# Altium PCB EPS.PcbDoc (part 5 of 11)
Units mm, origin at the board's own origin, x right, y up, seen from the top; angles counter-clockwise.
Board outline 90.25 x 93.64 mm, 8 copper layers (Top Layer, PGND, Power, Control Signals 1, Control Signals 2, Signal 1, Signal 2, Bottom Layer), stack 1.637 mm thick; 941 components, 557 nets, 2694 pads, 869 vias.
Unrouted connection lines stored in the file: 2.
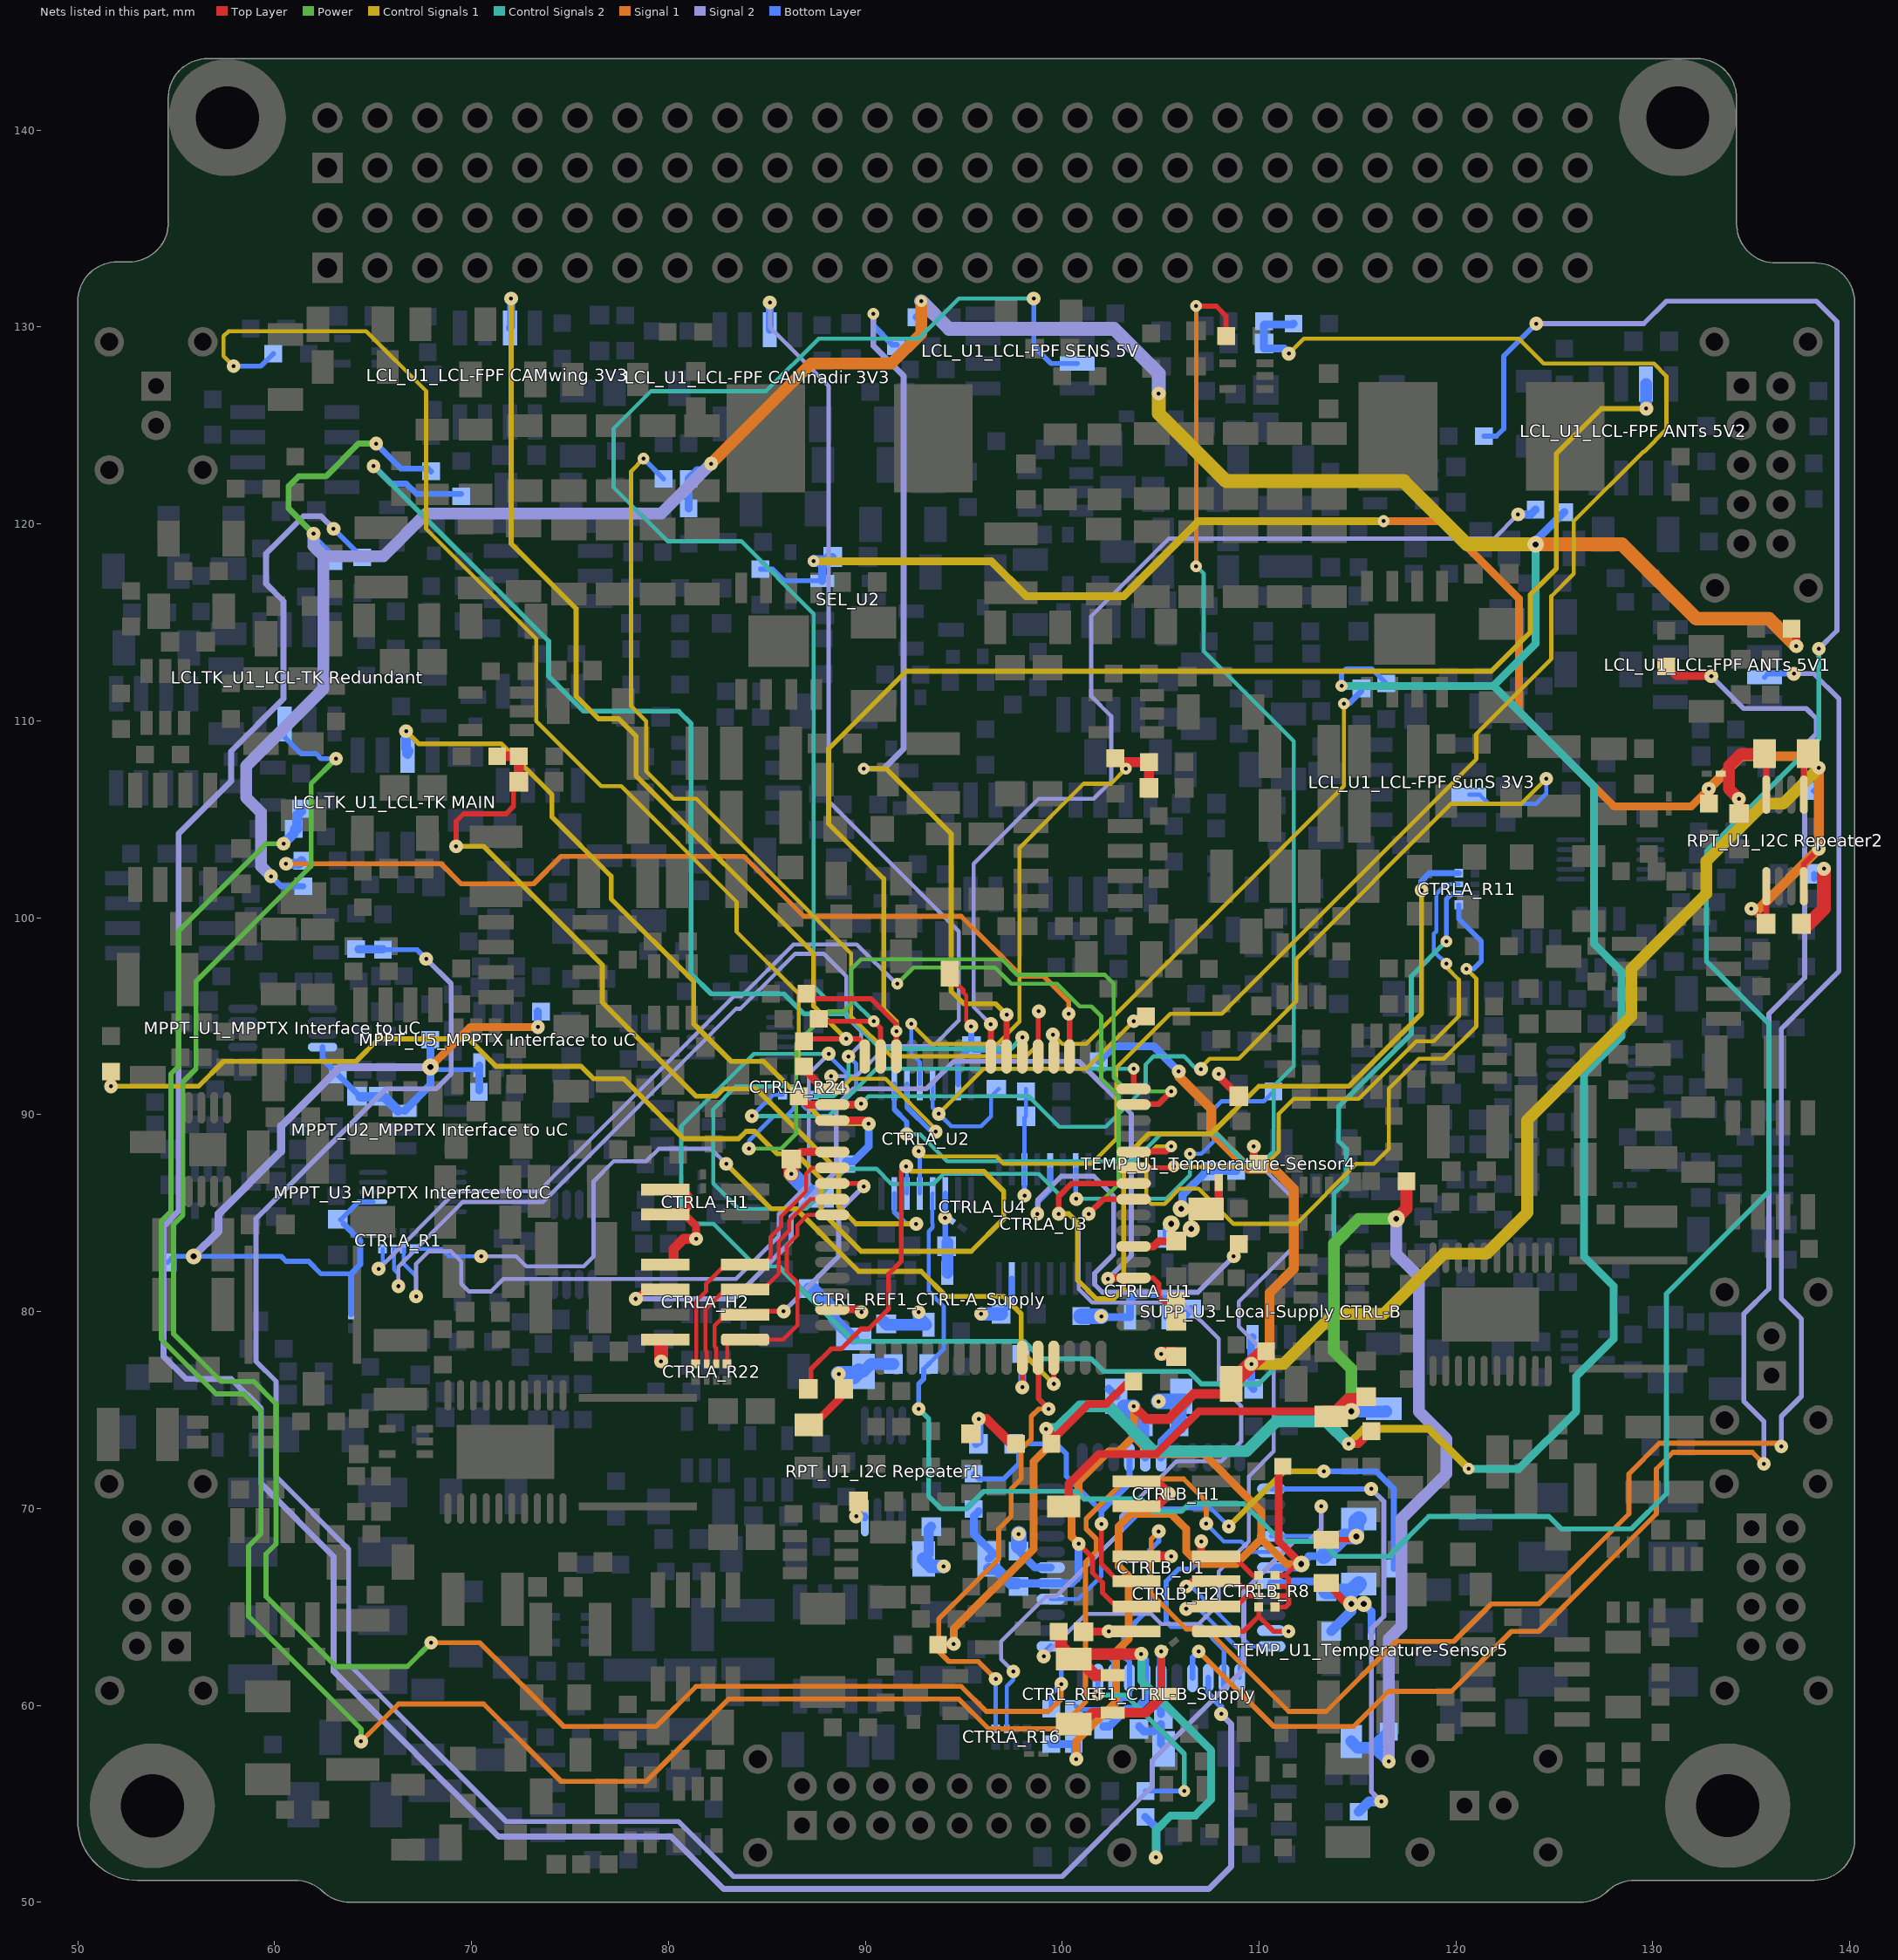
[diagram p11: the nets of this part, all layers, seen from the top]

## Via types
v1: diameter 0.7, hole 0.2, Top Layer to Bottom Layer, 431 vias
v2: diameter 0.85, hole 0.3, Top Layer to Bottom Layer, 345 vias
v3: diameter 0.6, hole 0.2, Top Layer to Bottom Layer, 62 vias
v4: diameter 0.8, hole 0.3, Top Layer to Bottom Layer, 19 vias
v5: diameter 0.75, hole 0.3, Top Layer to Bottom Layer, 7 vias
v6: diameter 1, hole 0.4, Top Layer to Bottom Layer, 2 vias
v7: diameter 0.7, hole 0.3, Top Layer to Bottom Layer, 2 vias
v8: diameter 1, hole 0.3, Top Layer to Bottom Layer, 1 vias

## Nets (pads, with @x,y where several pads share a name; then routed paths per layer and width w, separated by ;. In a path a pad name is that pad's centre, name@x,y a point inside that pad or via, vN(x,y) a via of type N, cw(c..) or ccw(c..) an arc to the next point about the centre after c; other vN are vias at no path point) (continued)
CTRLA_HK_3V3_CURR: "HK_C4_3V3 Measurements.1" "HK_R5_3V3 Measurements.2" CTRLA_U2.6 | length 75.9
  Top Layer w0.254: 51.689,91.937 51.562,92.064 51.689,92.191 ; 87.238,75.946 87.238,77.078 88.265,78.105 88.773,78.105 89.789,79.121 90.17,79.121 91.186,80.137 91.186,81.915 91.821,82.55 91.821,87.122 v1(92.075,87.376)
  Top Layer w0.5: v1(51.689,91.44) 51.689,91.937
  Control Signals 1 w0.254: v1(51.689,91.44) 56.134,91.44 57.404,92.71 64.135,92.71 65.278,93.853 69.85,93.853 71.247,92.456 75.565,92.456 76.2,91.821 77.724,91.821 80.772,88.773 83.566,88.773 83.947,89.154 84.382,89.154 85.525,88.011 86.487,88.011 87.757,86.741 87.757,85.09 89.789,83.058 95.377,83.058 97.028,84.709 97.028,86.106 96.012,87.122 92.329,87.122 v1(92.075,87.376)
  Bottom Layer w0.208: CTRLA_U2.6@92.075,86.039 CTRLA_U2.6@92.116,85.998 92.116,87.335 v1(92.075,87.376)
CTRLA_HK_3V3_TEMP: CTRLA_U2.11 TEMP_R1_Temperature-Sensor1.2 | length 70.5
  Control Signals 1 w0.208: v1(57.912,128.016) 57.407,128.521 57.407,129.543 57.658,129.794 64.643,129.794 67.691,126.746 67.691,119.761 73.279,114.173 73.279,109.982 76.581,106.68 77.597,106.68 83.461,100.816 83.461,99.292 86.614,96.139 86.614,92.456 87.884,91.186 88.646,91.186 89.281,91.821 91.019,91.821 93.576,89.264 v1(93.576,89.131)
  Bottom Layer w0.254: v1(57.912,128.016) 59.298,128.016 TEMP_R1_Temperature-Sensor1.2@59.933,128.651 ; CTRLA_U2.11@92.116,91.548 92.116,90.383 93.368,89.131 v1(93.576,89.131)
CTRLA_HK_3V3_VOLT: "HK_C1_3V3 Measurements.1" "HK_R3_3V3 Measurements.2" "HK_R4_3V3 Measurements.1" CTRLA_U2.7 | length 44.3
  Top Layer w0.254: v1(69.215,103.632) 69.215,104.902 69.596,105.283 71.755,105.283 72.136,105.664 72.136,106.636 72.4,106.9
  Top Layer w0.5: 71.3,108.2 72.4,108.2 72.4,106.9
  Control Signals 1 w0.254: v1(69.215,103.632) 70.612,103.632 76.644,97.599 76.644,95.694 81.407,90.932 82.423,90.932 82.804,91.313 84.455,91.313 88.646,87.122 88.646,85.344 89.535,84.455 v1(92.583,84.455)
  Bottom Layer w0.254: CTRLA_U2.7@91.466,85.998 91.466,85.064 92.075,84.455 v1(92.583,84.455)
CTRLA_HK_5V_CURR: "HK_C4_5V Measurements.1" "HK_R5_5V Measurements.2" CTRLA_U2.13 | length 18.9
  Top Layer w0.208: v1(103.632,94.742) 103.886,94.996 104.256,94.996
  Control Signals 1 w0.208: v1(93.726,90.043) 96.012,92.329 101.219,92.329 v1(103.632,94.742)
  Bottom Layer w0.208: CTRLA_U2.13@93.416,91.548 93.416,90.353 v1(93.726,90.043) 94.361,89.408 95.885,89.408 96.393,89.916 96.393,90.921 96.774,91.302
CTRLA_HK_5V_TEMP: CTRLA_U2.10 TEMP_R1_Temperature-Sensor2.2 | length 71.6
  Top Layer w0.254: v3(106.807,131.064) 107.823,131.064 108.32,130.567 TEMP_R1_Temperature-Sensor2.2@108.32,129.54
  Signal 1 w0.208: v3(106.807,117.856) v3(106.807,131.064)
  Control Signals 2 w0.208: v1(92.103,89.006) 92.771,89.006 94.147,87.63 103.632,87.63 105.001,88.999 107.851,88.999 109.283,87.566 110.172,87.566 110.744,88.138 110.744,91.44 111.76,92.456 111.76,108.966 107.188,113.538 107.188,117.475 v3(106.807,117.856)
  Bottom Layer w0.254: CTRLA_U2.10@91.466,91.548 91.466,90.271 92.103,89.634 v1(92.103,89.006)
CTRLA_HK_5V_VOLT: "HK_C1_5V Measurements.1" "HK_R3_5V Measurements.2" "HK_R4_5V Measurements.1" CTRLA_U2.12 | length 29.1
  Top Layer w0.208: 102.7,108.1 102.9,107.9 v3(103.231,107.569)
  Top Layer w0.5: 102.9,107.9 104.4,107.9 104.4,106.6
  Control Signals 1 w0.208: v3(92.329,94.615) 93.345,93.599 96.716,93.599 97.831,94.714 97.831,103.546 101.092,106.807 102.469,106.807 v3(103.231,107.569)
  Bottom Layer w0.208: v3(92.329,94.615) 92.329,93.091 92.766,92.654 CTRLA_U2.12@92.766,91.548
CTRLA_HK_SUPP_TEMP: CTRLA_U3.7 TEMP_R1_Temperature-Sensor6.2 | length 15.4
  Control Signals 2 w0.208: v1(100.711,85.725) 105.283,85.725 106.489,86.931 v3(106.489,88.011)
  Bottom Layer w0.208: v3(106.489,88.011) 107.061,88.011 107.696,88.646 107.696,90.297 108.077,90.678 110.225,90.678 TEMP_R1_Temperature-Sensor6.2@110.733,91.186
  Bottom Layer w0.254: v1@100.685,85.751 CTRLA_U3.7@100.685,87.23
  Bottom Layer w0.3: v1@100.685,85.751 v1(100.711,85.725)
CTRLA_HK_TEMP: CTRLA_U3.5 TEMP_R1_Temperature-Sensor4.2 | length 21.7
  Top Layer w0.3: v1(108.712,82.804) 108.712,82.92 108.839,83.047 108.712,83.174 TEMP_R1_Temperature-Sensor4.2@108.966,83.428
  Signal 2 w0.254: v1(98.733,84.963) 98.765,84.995 98.765,85.684 99.949,86.868 101.6,86.868 102.616,85.852 102.616,82.915 101.644,81.943 101.644,81.379 102.042,80.981 106.889,80.981 v1(108.712,82.804)
  Bottom Layer w0.254: v1(98.733,84.963) 98.733,85.525 99.385,86.177 CTRLA_U3.5@99.385,87.23
CTRLA_HK_VBAT_CURR: "HK_C4_VBAT Measurements.1" "HK_R5_VBAT Measurements.2" CTRLA_U2.4 | length 147.3
  Signal 2 w0.254: v1(124.079,130.175) 129.54,130.175 130.683,131.318 138.303,131.318 139.344,130.277 139.344,114.579 v1(138.43,113.665)
  Control Signals 2 w0.254: v1(92.71,75.057) 93.218,74.549 93.218,70.612 93.853,69.977 95.123,69.977 96.012,70.866 100.711,70.866 101.1,70.477 104.021,70.477 104.648,69.85 106.045,69.85 106.426,70.231 109.22,70.231 111.125,68.326 113.157,68.326 113.919,67.564 116.586,67.564 118.618,69.596 124.714,69.596 125.349,68.961 128.905,68.961 130.683,70.739 130.683,80.899 135.89,86.106 135.89,94.615 132.715,97.79 132.715,103.378 138.43,109.093 v1(138.43,113.665)
  Bottom Layer w0.208: 93.229,77.343 93.98,78.094 93.98,80.264 93.218,81.026 93.218,84.074 93.416,84.272 93.416,84.471 93.393,84.494 93.393,85.975 CTRLA_U2.4@93.416,85.998
  Bottom Layer w0.254: v1(92.71,75.057) 92.71,76.327 92.964,76.581 92.964,77.078 93.229,77.343 ; 121.423,124.46 122.047,124.46 122.428,124.841 122.428,128.524 v1(124.079,130.175)
CTRLA_HK_VBAT_VOLT: "HK_C1_VBAT Measurements.1" "HK_R3_VBAT Measurements.2" "HK_R4_VBAT Measurements.1" CTRLA_U2.5 | length 89.2
  Control Signals 1 w0.208: v1(92.71,88.138) 92.964,87.884 96.647,87.884 97.028,87.503 101.473,87.503 102.743,88.773 102.743,92.369 105.497,95.123 108.096,95.123 121.031,108.058 121.031,109.347 124.841,113.157 124.841,116.332 125.984,117.475 125.984,120.142 129.518,123.676 129.558,123.676 130.683,124.801 130.683,127.508 130.048,128.143 124.46,128.143 123.19,129.413 112.268,129.413 v1(111.506,128.651)
  Bottom Layer w0.208: v1(92.71,88.138) 92.766,88.082 CTRLA_U2.5@92.766,85.998 ; 110.247,130.099 110.285,130.137
  Bottom Layer w0.4: 110.247,130.099 110.247,129.159 110.247,128.905 111.252,128.905 v1(111.506,128.651) ; 110.285,130.137 111.711,130.137 111.749,130.175
CTRLA_JTAG_R\E\S\E\T\: CTRLA_C4.1 CTRLA_H2.6 CTRLA_R23.1 CTRLA_U4.20 | length 51.1
  Top Layer w0.208: v1(78.339,80.647) v1@78.361,80.647 ; CTRLA_H2.6@78.829,81.115 CTRLA_H2.6@79.845,81.115 CTRLA_H2.6@80.861,81.115
  Top Layer w0.254: CTRLA_U4.20@103.624,81.706 104.603,81.706 104.902,81.407 104.902,80.772 105.156,80.518 CTRLA_R23.1@105.78,80.518
  Top Layer w0.3: v1@78.361,80.647 CTRLA_H2.6@78.829,81.115
  Top Layer w0.4: v1(102.324,81.661) 102.369,81.706 CTRLA_U4.20@103.624,81.706 ; CTRLA_C4.1@105.78,79.248 CTRLA_R23.1@105.78,80.518
  Signal 2 w0.254: v1(78.339,80.647) 83.314,80.647 86.233,83.566 86.233,84.836 88.519,87.122 88.519,90.424 89.408,91.313 93.091,91.313 94.488,92.71 100.838,92.71 103.505,90.043 103.505,82.842 v1(102.324,81.661)
CTRLA_JTAG_TCK: CTRLA_H2.1 CTRLA_R22.5 CTRLA_U4.57 | length 12.4
  Top Layer w0.208: CTRLA_R22.5@82.982,77.343 CTRLA_H2.1@82.982,78.613 ; CTRLA_H2.1@83.895,78.575 85.814,78.575 86.546,79.307 86.546,81.475 86.009,82.012 86.009,83.342 86.547,83.88 86.547,84.388 87.065,84.906 CTRLA_U4.57@88.324,84.906
  Top Layer w0.254: CTRLA_H2.1@83.274,78.575 CTRLA_H2.1@83.895,78.575
CTRLA_JTAG_TDI: CTRLA_H2.7 CTRLA_R22.8 CTRLA_U4.54 | length 14.5
  Top Layer w0.208: CTRLA_R22.8@81.407,77.343 81.407,80.518 81.915,81.026 81.915,81.407 CTRLA_H2.7@82.893,82.385 ; CTRLA_H2.7@83.895,82.385 84.798,82.385 85.186,82.773 85.186,83.789 85.725,84.328 85.725,84.836 86.995,86.106 86.995,86.995 87.306,87.306 CTRLA_U4.54@88.324,87.306
  Top Layer w0.254: CTRLA_H2.7@82.893,82.385 CTRLA_H2.7@83.895,82.385
CTRLA_JTAG_TDO: CTRLA_H2.3 CTRLA_R22.6 CTRLA_U4.55 | length 14.5
  Top Layer w0.208: CTRLA_R22.6@82.423,77.343 82.423,78.143 82.34,78.226 82.34,79.292 82.893,79.845 CTRLA_H2.3@83.895,79.845
  Top Layer w0.254: CTRLA_H2.3@84.836,80.01 v1(85.852,80.01) ; CTRLA_U4.55@88.324,86.506 89.77,86.506 v1(89.916,86.36)
  Signal 2 w0.254: v1(85.852,80.01) 88.646,82.804 88.646,85.09 v1(89.916,86.36)
CTRLA_JTAG_TMS: CTRLA_H2.5 CTRLA_R22.7 CTRLA_U4.56 | length 12.8
  Top Layer w0.208: CTRLA_R22.7@81.94,77.343 81.94,77.979 81.883,78.037 81.883,80.105 82.893,81.115 CTRLA_H2.5@83.895,81.115 84.798,81.115 85.598,81.915 85.598,83.566 86.136,84.104 86.136,84.612 87.23,85.706 CTRLA_U4.56@88.324,85.706
CTRLA_LCLs_ANTs_FlagB: "LCL_U1_LCL-FPF ANTs 5V2.7" CTRLA_R12.2 CTRLA_U4.46 | length 77.1
  Top Layer w0.254: CTRLA_R12.2@87.006,96.139 87.26,95.885 90.297,95.885 91.574,94.608 v3(91.574,94.234) CTRLA_U4.46@91.574,92.956
  Control Signals 1 w0.254: v3(91.574,94.234) 91.574,94.735 90.932,95.377 90.932,101.981 88.138,104.775 88.138,108.585 92.075,112.522 121.793,112.522 123.772,114.501 123.772,116.406 125.095,117.729 125.095,123.571 127.381,125.857 v1(129.667,125.857)
  Bottom Layer w0.6: 129.65,127.11 129.65,125.874 v1(129.667,125.857)
CTRLA_LCLs_ANTs_ON: "LCL_R4_LCL-FPF ANTs 5V2.2" CTRLA_U4.40 | length 52.5
  Top Layer w0.3: CTRLA_U4.40@96.374,92.956 v1(96.374,94.596)
  Signal 2 w0.208: v1(96.374,94.596) 95.504,95.466 95.504,102.743 98.806,106.045 101.6,106.045 102.489,106.934 102.489,110.236 101.473,111.252 101.473,115.316 105.41,119.253 121.92,119.253 v1(123.152,120.485)
  Bottom Layer w0.4: v1(123.152,120.485) 123.798,120.485 124.041,120.728
CTRLA_LCLs_CAMnadir_FlagB: "LCL_U1_LCL-FPF CAMnadir 3V3.7" CTRLA_R8.2 CTRLA_U4.49 | length 52.5
  Top Layer w0.4: CTRLA_R8.2@86.741,92.71 86.995,92.456 86.995,92.202 87.891,91.306 CTRLA_U4.49@88.324,91.306 88.265,91.365 v1(88.265,91.948)
  Signal 2 w0.208: v1(85.15,131.251) 85.15,129.988 88.138,127 88.138,105.918 94.742,99.314 94.742,94.782 93.432,93.472 91.059,93.472 89.535,91.948 v1(88.265,91.948)
  Bottom Layer w0.4: 85.15,129.86 v1(85.15,131.251)
CTRLA_LCLs_CAMnadir_ON: "LCL_R4_LCL-FPF CAMnadir 3V3.2" CTRLA_U4.37 | length 50
  Top Layer w0.254: CTRLA_U4.37@98.774,92.956 98.774,95.218 v1(98.806,95.25)
  Top Layer w0.3: CTRLA_U4.37@98.774,92.956 CTRLA_U4.37@98.806,92.988
  Control Signals 1 w0.208: v3(78.74,123.317) 78.105,122.682 78.105,110.744 78.867,109.982 78.867,107.442 80.264,106.045 81.407,106.045 89.281,98.171 89.281,94.996 91.313,92.964 98.171,92.964 98.806,93.599 v1(98.806,95.25)
  Bottom Layer w0.254: v3(78.74,123.317) 78.74,123.306 79.756,122.29
CTRLA_LCLs_CAMwing_FlagB: "LCL_U1_LCL-FPF CAMwing 3V3.7" CTRLA_R9.2 CTRLA_U4.48 | length 50.6
  Top Layer w0.254: CTRLA_R9.2@86.879,93.726 87.006,93.853 v1(89.027,93.853) 89.662,93.853 89.974,93.541 CTRLA_U4.48@89.974,92.956
  Control Signals 1 w0.254: v1(72.009,131.445) 72.009,118.999 75.311,115.697 75.311,111.252 76.454,110.109 77.47,110.109 78.359,109.22 78.359,107.209 87.376,98.192 87.376,95.504 v1(89.027,93.853)
  Bottom Layer w0.4: 71.95,129.96 72.009,130.019 v1(72.009,131.445)
CTRLA_LCLs_CAMwing_ON: "LCL_R4_LCL-FPF CAMwing 3V3.2" CTRLA_U4.38 | length 59.6
  Top Layer w0.3: CTRLA_U4.38@97.974,93.295 v1(97.974,93.927)
  Control Signals 2 w0.254: v1(65.024,122.936) 73.914,114.046 73.914,112.268 75.692,110.49 80.518,110.49 81.153,109.855 81.153,97.155 82.169,96.139 85.852,96.139 86.868,95.123 89.027,95.123 90.805,93.345 97.392,93.345 v1(97.974,93.927)
  Bottom Layer w0.3: v1(65.024,122.936) 65.913,122.047 66.675,122.047 67.194,121.528 69.469,121.528
CTRLA_LCLs_SENS_FlagB: "LCL_U1_LCL-FPF SENS 5V.7" CTRLA_R10.2 CTRLA_U4.47 | length 72.3
  Top Layer w0.254: CTRLA_R10.2@87.641,94.869 87.768,94.742 v3(90.424,94.742) 90.774,94.392 CTRLA_U4.47@90.774,92.956
  Control Signals 2 w0.208: v3(90.424,94.742) 89.281,95.885 88.011,95.885 87.376,96.52 87.376,115.443 83.693,119.126 79.947,119.126 77.216,121.856 77.216,124.841 79.121,126.746 84.963,126.746 87.63,129.413 92.71,129.413 94.742,131.445 v1(98.552,131.445)
  Bottom Layer w0.254: v1(98.552,131.445) 98.552,129.032 99.434,128.15 100.76,128.15
CTRLA_LCLs_SENS_ON: "LCL_R4_LCL-FPF SENS 5V.2" CTRLA_U4.39 | length 46.6
  Top Layer w0.3: CTRLA_U4.39@97.174,92.956 v1(97.174,95.079)
  Signal 2 w0.3: v3(89.916,107.569) 90.932,107.569 91.948,108.585 91.948,127.508 90.41,129.046 v3(90.41,130.683)
  Control Signals 1 w0.254: v3(89.916,107.569) 91.059,107.569 94.361,104.267 94.361,96.266 94.996,95.631 96.622,95.631 v1(97.174,95.079)
  Bottom Layer w0.3: v3(90.41,130.683) 90.41,130.062 91.372,129.1 91.6,129.1
CTRLA_LCLs_Suns_FlagB: "LCL_U1_LCL-FPF SunS 3V3.7" CTRLA_R5.2 CTRLA_U4.50 | length 53.9
  Top Layer w0.4: CTRLA_R5.2@86.625,90.932 87.051,90.506 CTRLA_U4.50@88.324,90.506 89.744,90.506 v1(89.789,90.551)
  Control Signals 1 w0.208: v1(107.047,92.315) 107.047,92.401 107.482,92.837 108.966,92.837 111.887,95.758 111.887,97.917 119.761,105.791 123.317,105.791 v1(124.587,107.061)
  Control Signals 2 w0.208: v1(89.789,90.551) 90.17,90.932 98.298,90.932 99.844,89.386 102.213,89.386 104.239,91.412 104.239,92.555 104.648,92.964 106.172,92.964 106.821,92.315 v1(107.047,92.315)
  Bottom Layer w0.208: 120.66,106.25 121.207,106.25 121.666,105.791 124.079,105.791 124.587,106.299 v1(124.587,107.061)
CTRLA_LCLs_SunS_ON: "LCL_R4_LCL-FPF SunS 3V3.2" CTRLA_U4.36 | length 26.7
  Top Layer w0.3: v1(99.528,94.067) 99.528,93.51 CTRLA_U4.36@99.695,93.343
  Control Signals 1 w0.208: v1(99.528,94.067) 99.995,93.599 101.219,93.599 114.3,106.68 v3(114.3,110.871)
  Bottom Layer w0.3: v3(114.3,110.871) 114.554,110.871 115.189,111.506 115.189,111.644
CTRLA_LCLs_TKmain_FlagB: "LCLTK_U1_LCL-TK MAIN.7" CTRLA_R2.2 CTRLA_U4.51 | length 40.1
  Top Layer w0.4: CTRLA_U4.51@88.324,89.706 89.999,89.706 v1(90.17,89.535)
  Control Signals 1 w0.254: v1(66.675,109.474) 67.31,108.839 71.501,108.839 74.086,106.254 74.086,105.111 77.089,102.108 77.089,100.965 81.28,96.774 81.28,94.615 83.185,92.71 84.836,92.71 88.011,89.535 v1(90.17,89.535)
  Bottom Layer w0.4: 66.675,108.335 66.75,108.26 ; CTRLA_R2.2@89.027,87.619 89.397,87.619 90.17,88.392 v1(90.17,89.535)
  Bottom Layer w0.5: v1(66.675,109.474) 66.675,108.589 66.802,108.462
CTRLA_LCLs_TKmain_ON: "LCLTK_R13_LCL-TK MAIN.2" CTRLA_U4.35 | length 47.7
  Top Layer w0.3: v1(100.33,95.123) v1@100.369,95.123 ; CTRLA_U4.35@100.374,92.956 v1@100.374,95.118 ; v1@100.369,95.123 100.33,95.162 100.374,95.206 v1@100.374,95.118 ; v1@100.369,95.123 v1@100.374,95.118
  Signal 1 w0.254: v1(60.579,102.743) 68.453,102.743 69.469,101.727 73.152,101.727 74.549,103.124 83.82,103.124 86.868,100.076 94.869,100.076 97.917,97.028 99.06,97.028 100.33,95.758 v1(100.33,95.123)
  Bottom Layer w0.4: 61.37,102.87 61.4,102.9
  Bottom Layer w0.5: v1(60.579,102.743) 61.243,102.743 61.37,102.87
CTRLA_MPPTX_C\S\_ADC: CTRLA_R1.8 CTRLA_U4.25 | length 60.5
  Top Layer w0.3: v1(101.346,84.963) 102.089,85.706 CTRLA_U4.25@103.624,85.706
  Power w0.208: v3(91.616,96.641) 92.45,97.476 96.58,97.476 97.409,96.647 99.735,96.647 100.878,95.504 101.473,95.504 101.981,94.996 101.981,91.821 102.87,90.932 102.87,86.487 v1(101.346,84.963)
  Signal 2 w0.208: v1(65.278,82.169) 69.215,86.106 73.406,86.106 83.312,96.012 83.706,96.012 86.343,98.649 89.565,98.649 91.573,96.641 v3(91.616,96.641)
  Bottom Layer w0.208: v1(65.278,82.169) 65.481,82.372 CTRLA_R1.8@65.481,83.185
CTRLA_MPPTX_C\S\_DAC: CTRLA_R1.7 CTRLA_R11.8 CTRLA_R16.6 CTRLA_R24.6 CTRLA_U4.26 | length 162.5
  Top Layer w0.3: v1(99.822,84.963) 99.822,85.852 100.476,86.506 CTRLA_U4.26@103.624,86.506
  Signal 2 w0.208: v1(66.281,81.289) 66.281,82.283 69.566,85.568 73.63,85.568 83.439,95.377 83.653,95.377 84.415,96.139 86.447,98.171 87.884,98.171 89.027,97.028 89.027,94.996 89.789,94.234 89.789,93.593 v1(89.146,92.95) ; v1(97.518,61.722) 96.901,62.339 96.901,63.246 99.187,65.532 99.695,65.532 102.997,68.834 102.997,69.596 105.791,72.39 108.077,72.39 109.093,73.406 109.093,75.184 107.95,76.327 107.95,78.613 106.098,80.465 101.526,80.465 100.838,81.153 100.838,84.455 100.33,84.963 v1(99.822,84.963)
  Control Signals 1 w0.254: v1(99.822,84.963) 100.33,84.963 100.778,84.515 100.778,81.594 101.727,80.645 102.616,80.645 103.124,81.153 103.124,87.757 104.394,89.027 107.569,89.027 109.982,91.44 114.554,91.44 118.25,95.136 v1(118.25,101.4)
  Control Signals 2 w0.208: v1@89.132,92.936 v1(89.146,92.95) 89.146,91.686 88.392,90.932 86.995,90.932 86.487,91.44 83.439,91.44 82.274,90.275 82.274,86.509 83.566,85.217 86.995,85.217 89.027,87.249 90.551,87.249 91.313,86.487 93.472,86.487 93.98,86.995 98.806,86.995 99.822,85.979 v1(99.822,84.963)
  Bottom Layer w0.208: CTRLA_R1.7@66.065,83.185 66.065,82.144 66.281,81.928 v1(66.281,81.289) ; CTRLA_R24.6@86.843,90.995 86.843,90.449 86.995,90.297 88.519,90.297 89.535,91.313 89.535,92.583 89.168,92.95 v1(89.146,92.95) ; CTRLA_R16.6@97.18,58.801 97.18,60.97 97.518,61.308 v1(97.518,61.722)
  Bottom Layer w0.3: v1@118.237,101.346 118.237,101.854 118.643,102.26 CTRLA_R11.8@120.142,102.26
CTRLA_MPPTY+_C\S\_ADC: CTRLA_R11.7 CTRLA_U4.27 | length 29.1
  Top Layer w0.254: CTRLA_U4.27@103.624,87.306 v3@105.668,87.306
  Control Signals 1 w0.208: v3(105.668,87.38) 105.694,87.354 110.214,87.354 110.998,88.138 110.998,90.043 111.76,90.805 115.062,90.805 117.983,93.726 118.872,93.726 120.142,94.996 120.142,96.861 119.507,97.496 v3(119.507,97.663)
  Bottom Layer w0.208: v3(119.507,97.663) 118.872,98.298 118.872,99.187 118.999,99.314 118.999,101.219 119.482,101.702 CTRLA_R11.7@120.142,101.702
  Bottom Layer w0.254: v3(119.507,97.663) v3@119.507,97.773
CTRLA_MPPTY+_C\S\_DAC: CTRLA_R11.5 CTRLA_U4.28 | length 36.8
  Top Layer w0.3: CTRLA_U4.28@103.624,88.106 103.656,88.138 CTRLA_U4.28@103.783,88.011 ; CTRLA_U4.28@104.013,88.138 105.283,88.138 v3(105.537,88.392)
  Control Signals 1 w0.208: v3(105.537,88.392) 104.775,88.392 104.267,87.884 104.267,85.725 104.521,85.471 105.196,85.471 105.958,86.233 106.934,86.233 108.712,84.455 111.887,84.455 114.935,87.503 115.824,87.503 116.586,88.265 116.586,91.313 118.11,92.837 119.38,92.837 121.031,94.488 121.031,96.901 v3(120.523,97.409)
  Bottom Layer w0.254: CTRLA_R11.5@120.142,100.66 120.142,99.949 121.285,98.806 121.285,97.79 120.904,97.409 v3(120.523,97.409)
CTRLA_MPPTY-_C\S\_ADC: CTRLA_R24.7 CTRLA_U4.31 | length 41.1
  Top Layer w0.3: CTRLA_U4.31@103.624,90.506 103.651,90.533 104.884,90.533 v3(105.537,91.186) 105.537,91.094 v3@105.583,91.14
  Power w0.208: v1(84.088,88.279) 85.739,88.279 86.487,89.027 86.487,93.599 88.138,95.25 88.9,95.25 89.285,95.635 89.285,97.389 89.782,97.887 96.931,97.887 97.715,97.103 102.16,97.103 102.616,96.647 102.616,91.886 103.316,91.186 v3(105.537,91.186)
  Bottom Layer w0.208: v1(84.088,88.279) 84.088,88.68 85.325,89.916 85.979,89.916 86.36,90.297 CTRLA_R24.7@86.36,90.995
CTRLA_MPPTY-_C\S\_DAC: CTRLA_R24.8 CTRLA_U4.32 | length 23.4
  Top Layer w0.3: CTRLA_U4.32@103.624,91.306 103.632,91.314 v3(103.632,92.329)
  Control Signals 2 w0.208: v1(84.242,89.929) 88.151,89.929 90.551,92.329 v3(103.632,92.329)
  Bottom Layer w0.208: v1(84.242,89.929) 84.247,89.929 85.313,90.995 CTRLA_R24.8@85.801,90.995
CTRLA_SPI_MISO: CTRLA_R1.5 CTRLA_U4.13 | length 45
  Top Layer w0.208: CTRLA_U4.13@99.568,77.65 CTRLA_U4.13@99.574,77.656
  Top Layer w0.254: v1(99.568,76.327) CTRLA_U4.13@99.568,77.65